# Altium PCB Evaluation Board.PcbDoc (part 10 of 22) (continued)
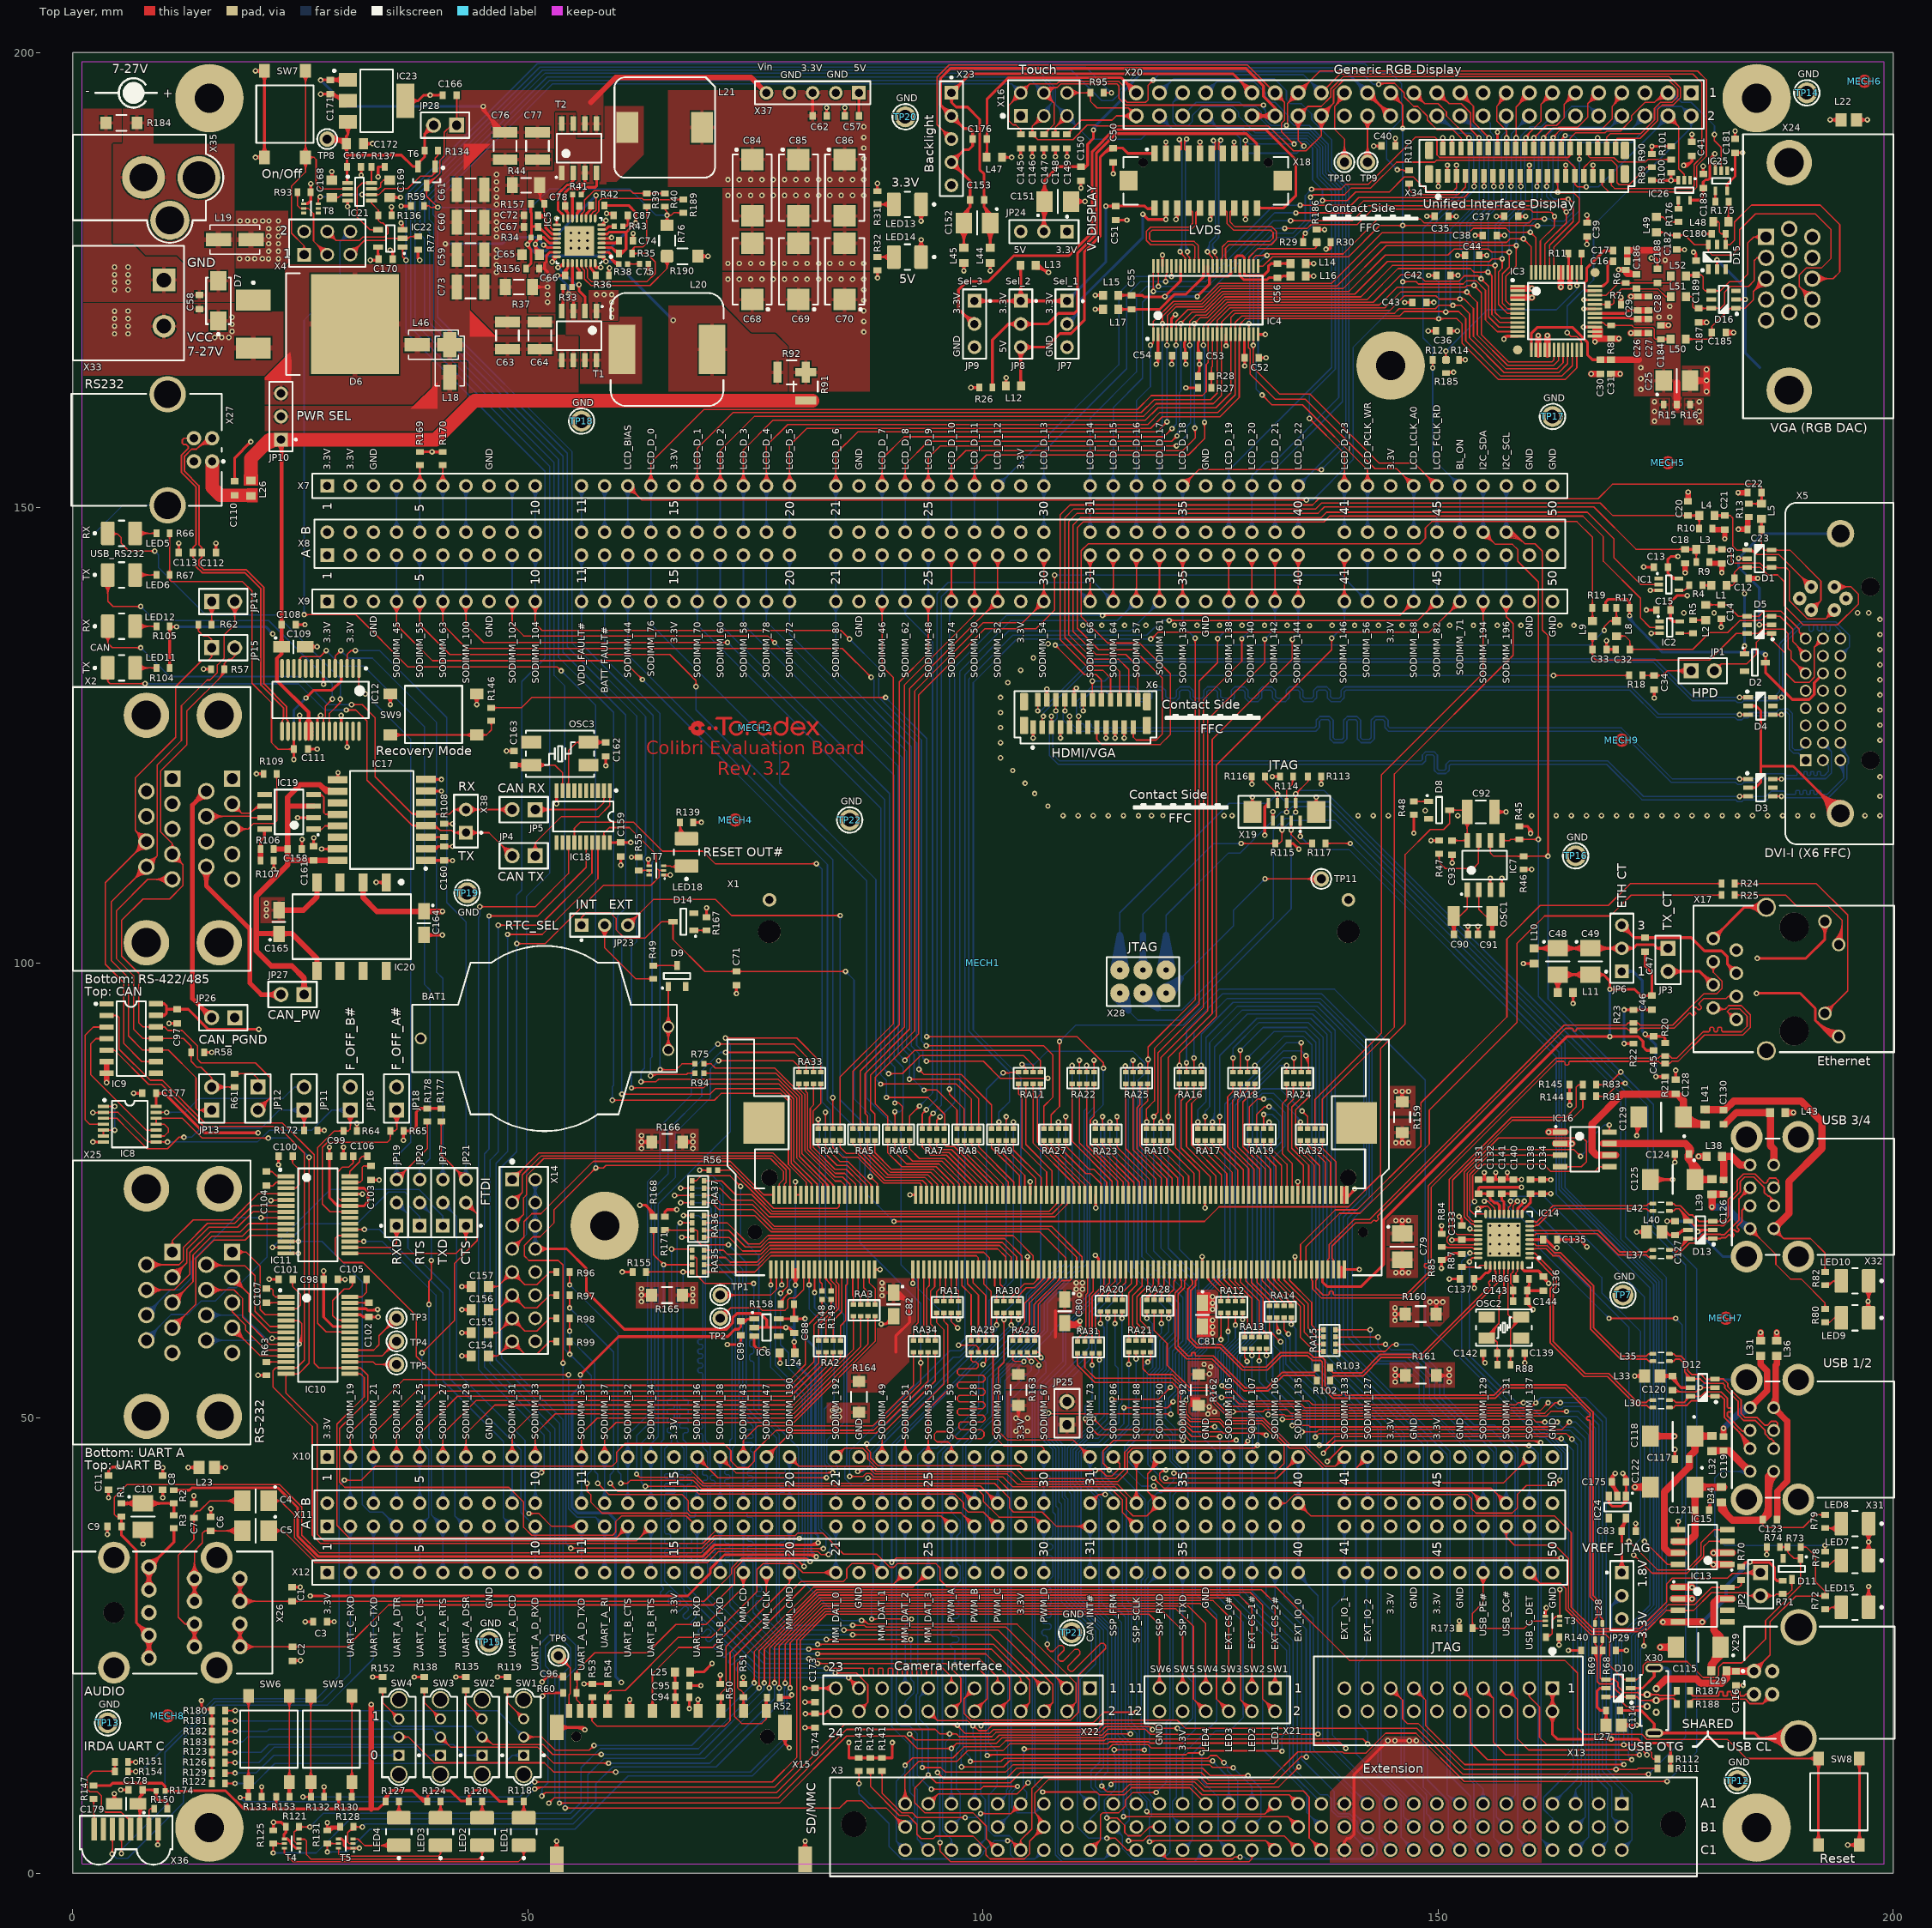
[diagram p0: Top Layer view]
## Nets (pads, with @x,y where several pads share a name; then routed paths per layer and width w, separated by ;. In a path a pad name is that pad's centre, name@x,y a point inside that pad or via, vN(x,y) a via of type N, cw(c..) or ccw(c..) an arc to the next point about the centre after c; other vN are vias at no path point) (continued)
  Bottom Layer w0.15: X8.B19@75.723,147.797 ccw(c74.57,148.95) 76.2,148.95 ccw(c77.83,148.95) X8.B19@76.677,147.797 ; X7.19@75.723,151.923 cw(c74.57,150.77) 76.2,150.77 cw(c77.83,150.77) X7.19@76.677,151.923 ; X8.B19@75.829,147.691 ccw(c74.933,148.587) 76.2,148.587 ccw(c77.467,148.587) X8.B19@76.571,147.691 ; X7.19@75.829,152.029 cw(c74.933,151.133) 76.2,151.133 cw(c77.467,151.133) X7.19@76.571,152.029 ; X8.B19@75.935,147.585 ccw(c75.295,148.225) 76.2,148.225 ccw(c77.105,148.225) X8.B19@76.465,147.585 ; X7.19@75.935,152.135 cw(c75.295,151.495) 76.2,151.495 cw(c77.105,151.495) X7.19@76.465,152.135 ; X8.B19@76.2,147.32 X7.19@76.2,152.4 ; X20.24@149.86,192.29 cw(c149.86,189.417) 151.891,191.449 ; X20.24@149.86,192.44 cw(c149.86,189.929) 151.635,191.705 ; X20.24@149.86,192.59 cw(c149.86,190.441) 151.379,191.961 ; X20.24@149.86,192.74 cw(c149.86,190.954) 151.123,192.217 ; X20.24@149.86,192.89 cw(c149.86,191.466) 150.867,192.473 ; X20.24@149.86,193.04 150.3,193.04 152.185,191.155 153.608,191.155 153.916,190.847 153.916,185.324 v1(153.949,185.29) 153.949,184.884 ; X20.24@150.61,193.04 ccw(c151.358,193.04) 150.829,192.511 ; v1@150.679,171.66 ccw(c150.326,172.013) 150.825,172.013 ; 150.825,172.075 ccw(c151.412,172.075) v1@150.997,171.66 ; v1(150.838,171.501) 150.825,171.514 150.825,181.759 153.949,184.884 ; v1@153.79,185.449 ccw(c153.488,185.752) 153.916,185.752 ; v1@153.83,185.1 cw(c153.695,184.884) 153.949,184.884 ; 153.916,185.915 ccw(c154.574,185.915) v1@154.108,185.449 ; v1@154.069,185.1 ccw(c154.204,184.884) 153.949,184.884
LCD_D_5: IC3.23 IC4.20 X7.20 X8.B20 X20.25 X34.8 | length 174.3
  Top Layer w0.15: X7.20@78.263,152.877 ccw(c77.11,154.03) 78.74,154.03 ccw(c80.37,154.03) X7.20@79.217,152.877 ; X7.20@78.369,152.771 ccw(c77.473,153.667) 78.74,153.667 ccw(c80.007,153.667) X7.20@79.111,152.771 ; X7.20@78.475,152.665 ccw(c77.835,153.305) 78.74,153.305 ccw(c79.645,153.305) X7.20@79.005,152.665 ; X7.20@78.74,152.4 78.74,156.82 80.645,158.725 118.4,158.725 119.675,160 126.025,160 128.143,162.118 IC4.20@128.143,169.046 ; 128.143,168.103 cw(c128.553,168.103) IC4.20@128.263,168.393 ; IC4.20@128.157,169.699 ccw(c128.029,169.827) 128.21,169.827 ccw(c128.391,169.827) IC4.20@128.263,169.699 ; IC4.20@128.21,169.046 128.21,170.171 128.797,170.758 ; 128.797,170.764 v1(150.063,170.764) 152.061,170.764 152.643,170.182 152.643,168.057 156.625,164.075 163.95,164.075 165.231,165.357 IC3.23@165.231,167.342 ; X20.25@147.32,195.58 148.514,194.386 ; X20.25@147.343,195.131 cw(c147.389,194.217) 148.036,194.864 cw(c148.683,195.511) X20.25@147.769,195.557 ; X20.25@147.35,194.981 cw(c147.412,193.762) 148.275,194.625 cw(c149.138,195.488) X20.25@147.919,195.55 ; X20.25@147.358,194.831 cw(c147.435,193.308) 148.514,194.386 ; X20.25@148.069,195.542 ccw(c149.592,195.465) 148.514,194.386 ; v1@149.904,170.605 ccw(c149.52,170.221) 149.52,170.764 ccw(c149.52,171.307) v1@149.904,170.923 ; v1@150.222,170.605 cw(c150.606,170.221) 150.606,170.764 cw(c150.606,171.307) v1@150.222,170.923 ; 152.895,191.06 ccw(c153.391,191.556) v1@153.391,190.855 ; 153.053,190.902 cw(c152.78,190.63) v1@153.166,190.63 ; X34.8@153.391,189.471 v1(153.391,190.63) ; 153.391,190.322 ccw(c153.839,190.322) X34.8@153.562,189.969 ; X34.8@153.655,190.087 cw(c154.08,190.63) v1(153.391,190.63) ; IC3.23@165.178,166.639 cw(c165.05,166.511) 165.231,166.511 cw(c165.413,166.511) IC3.23@165.284,166.639 ; 148.514,194.386 149.999,194.386 150.91,193.475 150.91,193.045 153.325,190.63 v1(153.391,190.63)
  Bottom Layer w0.15: X8.B20@78.263,147.797 ccw(c77.11,148.95) 78.74,148.95 ccw(c80.37,148.95) X8.B20@79.217,147.797 ; X7.20@78.263,151.923 cw(c77.11,150.77) 78.74,150.77 cw(c80.37,150.77) X7.20@79.217,151.923 ; X8.B20@78.369,147.691 ccw(c77.473,148.587) 78.74,148.587 ccw(c80.007,148.587) X8.B20@79.111,147.691 ; X7.20@78.369,152.029 cw(c77.473,151.133) 78.74,151.133 cw(c80.007,151.133) X7.20@79.111,152.029 ; X8.B20@78.475,147.585 ccw(c77.835,148.225) 78.74,148.225 ccw(c79.645,148.225) X8.B20@79.005,147.585 ; X7.20@78.475,152.135 cw(c77.835,151.495) 78.74,151.495 cw(c79.645,151.495) X7.20@79.005,152.135 ; X8.B20@78.74,147.32 X7.20@78.74,152.4 ; v1@149.904,170.923 ccw(c149.52,171.307) 150.063,171.307 ccw(c150.606,171.307) v1@150.222,170.923 ; v1(150.063,170.764) 150.063,174.762 149.6,175.225 149.6,181.225 153.391,185.016 v1(153.391,190.63) ; v1@153.232,190.471 cw(c152.847,190.087) 153.391,190.087 cw(c153.934,190.087) v1@153.55,190.471
LCD_D_6: IC3.5 IC4.4 X7.21 X8.B21 X20.13 X34.20 | length 161.6
  Top Layer w0.15: X7.21@83.343,152.877 ccw(c82.19,154.03) 83.82,154.03 ccw(c85.45,154.03) X7.21@84.297,152.877 ; X7.21@83.449,152.771 ccw(c82.553,153.667) 83.82,153.667 ccw(c85.087,153.667) X7.21@84.191,152.771 ; X7.21@83.555,152.665 ccw(c82.915,153.305) 83.82,153.305 ccw(c84.725,153.305) X7.21@84.085,152.665 ; X7.21@83.82,152.4 83.82,155.931 86.214,158.325 119.099,158.325 v1(120.21,159.436) ; v1@119.985,159.436 cw(c119.442,159.436) 119.826,159.052 cw(c120.21,158.668) v1@120.21,159.211 ; IC4.4@120.157,168.393 cw(c120.029,168.265) 120.21,168.265 cw(c120.391,168.265) IC4.4@120.263,168.393 ; IC4.4@120.157,169.699 ccw(c119.887,169.97) 120.269,169.97 ; v1(120.21,167.86) IC4.4@120.21,169.046 120.269,169.105 120.269,171.145 121.201,172.078 124.16,172.078 126.147,174.064 139.546,174.064 144.287,178.805 v1(158.585,178.805) 158.585,176.585 157.45,175.45 157.45,172.725 157.833,172.342 IC3.5@158.731,172.342 ; IC3.5@158.028,172.289 ccw(c157.9,172.161) 157.9,172.342 ccw(c157.9,172.523) IC3.5@158.028,172.395 ; v1@158.426,178.964 cw(c158.042,179.348) 158.042,178.805 cw(c158.042,178.262) 158.426,178.646 cw(c158.042,178.262) 158.585,178.262 cw(c159.128,178.262) v1@158.744,178.646 ; X34.20@159.366,190.078 ccw(c158.874,190.63) 159.614,190.63 X34.20@159.614,189.471 ; X34.20@159.466,189.966 ccw(c159.173,190.295) 159.614,190.295 ; 159.614,190.218 ccw(c159.824,190.218) X34.20@159.675,190.069 ; v1(159.639,190.627) 159.639,190.805 161.315,192.481 161.315,194.335 ; v1@159.714,190.627 cw(c160.324,190.627) 159.893,191.059 ; v1@159.864,190.627 cw(c160.836,190.627) 160.149,191.315 ; X20.13@161.81,195.565 cw(c160.12,195.531) 161.315,194.335 ; X20.13@161.96,195.568 cw(c160.608,195.54) 161.564,194.584 cw(c162.52,193.628) X20.13@162.548,194.98 ; X20.13@162.11,195.571 cw(c161.096,195.55) 161.813,194.833 cw(c162.53,194.116) X20.13@162.551,195.13 ; X20.13@162.545,194.83 ccw(c162.511,193.14) 161.315,194.335 ; X20.13@162.56,195.58 161.315,194.335
  Bottom Layer w0.15: X8.B21@83.343,147.797 ccw(c82.19,148.95) 83.82,148.95 ccw(c85.45,148.95) X8.B21@84.297,147.797 ; X7.21@83.343,151.923 cw(c82.19,150.77) 83.82,150.77 cw(c85.45,150.77) X7.21@84.297,151.923 ; X8.B21@83.449,147.691 ccw(c82.553,148.587) 83.82,148.587 ccw(c85.087,148.587) X8.B21@84.191,147.691 ; X7.21@83.449,152.029 cw(c82.553,151.133) 83.82,151.133 cw(c85.087,151.133) X7.21@84.191,152.029 ; X8.B21@83.555,147.585 ccw(c82.915,148.225) 83.82,148.225 ccw(c84.725,148.225) X8.B21@84.085,147.585 ; X7.21@83.555,152.135 cw(c82.915,151.495) 83.82,151.495 cw(c84.725,151.495) X7.21@84.085,152.135 ; X8.B21@83.82,147.32 X7.21@83.82,152.4 ; v1@120.051,159.595 ccw(c119.688,159.958) 120.201,159.958 ; v1@120.051,167.701 cw(c119.688,167.339) 120.201,167.339 ; 120.201,160 ccw(c120.775,160) v1@120.369,159.595 ; 120.201,167.296 cw(c120.775,167.296) v1@120.369,167.701 ; v1@120.201,167.86 120.201,159.445 v1(120.21,159.436) ; v1@158.426,178.964 ccw(c158.042,179.348) 158.585,179.348 ccw(c159.128,179.348) v1@158.744,178.964 ; v1(158.585,178.805) 158.585,181.835 159.605,182.855 159.605,185.508 159.491,185.622 159.491,190.479 v1(159.639,190.627) ; 159.491,189.726 cw(c160.54,189.726) v1@159.798,190.468 ; 159.491,190.089 cw(c160.177,190.089) v1@159.692,190.574
LCD_D_7: IC3.6 IC4.6 X7.23 X8.B23 X20.14 X34.19 | length 146.7
  Top Layer w0.15: X7.23@88.423,152.877 ccw(c87.27,154.03) 88.9,154.03 ccw(c90.53,154.03) X7.23@89.377,152.877 ; X7.23@88.529,152.771 ccw(c87.633,153.667) 88.9,153.667 ccw(c90.167,153.667) X7.23@89.271,152.771 ; X7.23@88.635,152.665 ccw(c87.995,153.305) 88.9,153.305 ccw(c89.805,153.305) X7.23@89.165,152.665 ; X7.23@88.9,152.4 88.9,155.372 91.328,157.8 119.861,157.8 v1(120.76,158.699) ; v1@120.535,158.699 cw(c119.992,158.699) 120.376,158.315 cw(c120.76,157.931) v1@120.76,158.474 ; IC4.6@121.157,168.393 cw(c121.029,168.265) 121.21,168.265 cw(c121.391,168.265) IC4.6@121.263,168.393 ; IC4.6@121.157,169.699 ccw(c120.971,169.886) 121.234,169.886 ; v1(121.21,167.86) IC4.6@121.21,169.046 121.234,169.07 121.234,169.965 121.185,170.015 121.185,170.449 122.513,171.778 124.284,171.778 126.271,173.764 140.211,173.764 144.197,177.75 151.082,177.75 151.732,178.4 155.557,178.4 155.883,178.074 v1(157.81,178.074) 157.8,178.064 157.8,176.425 157.05,175.675 157.05,172.45 157.658,171.842 IC3.6@158.731,171.842 ; v1@157.651,178.233 cw(c157.267,178.617) 157.267,178.074 cw(c157.267,177.531) 157.651,177.915 cw(c157.292,177.556) 157.8,177.556 ; 157.8,177.506 cw(c158.378,177.506) v1@157.969,177.915 ; IC3.6@158.028,171.789 ccw(c157.9,171.661) 157.9,171.842 ccw(c157.9,172.023) IC3.6@158.028,171.895 ; X34.19@158.857,185.851 cw(c158.318,185.312) v1@159.08,185.312 ; X34.19@158.963,185.957 cw(c158.68,185.674) 159.08,185.674 ; v1@159.08,185.301 X34.19@159.08,186.46 ; 159.08,185.622 cw(c159.404,185.622) X34.19@159.175,185.851
  Bottom Layer w0.15: X8.B23@88.423,147.797 ccw(c87.27,148.95) 88.9,148.95 ccw(c90.53,148.95) X8.B23@89.377,147.797 ; X7.23@88.423,151.923 cw(c87.27,150.77) 88.9,150.77 cw(c90.53,150.77) X7.23@89.377,151.923 ; X8.B23@88.529,147.691 ccw(c87.633,148.587) 88.9,148.587 ccw(c90.167,148.587) X8.B23@89.271,147.691 ; X7.23@88.529,152.029 cw(c87.633,151.133) 88.9,151.133 cw(c90.167,151.133) X7.23@89.271,152.029 ; X8.B23@88.635,147.585 ccw(c87.995,148.225) 88.9,148.225 ccw(c89.805,148.225) X8.B23@89.165,147.585 ; X7.23@88.635,152.135 cw(c87.995,151.495) 88.9,151.495 cw(c89.805,151.495) X7.23@89.165,152.135 ; X8.B23@88.9,147.32 X7.23@88.9,152.4 ; v1(120.76,158.699) 121.251,159.19 121.251,167.819 v1(121.21,167.86) ; v1@120.76,158.924 ccw(c120.76,159.467) 121.144,159.083 ccw(c121.528,158.699) v1@120.985,158.699 ; v1@121.051,167.701 cw(c120.567,167.218) 121.251,167.218 ; 121.251,167.417 cw(c121.654,167.417) v1@121.369,167.701 ; v1@157.651,178.233 ccw(c157.267,178.617) 157.81,178.617 ccw(c158.353,178.617) v1@157.969,178.233 ; v1(157.81,178.074) 157.81,181.61 159.08,182.88 v1(159.08,185.29) 159.097,185.307 159.097,190.828 160.116,191.846 161.341,191.846 162.535,193.04 X20.14@162.56,193.04 ; v1@158.921,185.131 cw(c158.537,184.747) 159.08,184.747 cw(c159.623,184.747) v1@159.239,185.131 ; v1@158.921,185.449 ccw(c158.496,185.874) 159.097,185.874 ; 159.097,185.792 ccw(c159.582,185.792) v1@159.239,185.449
LCD_D_8: IC3.7 IC4.7 X7.24 X8.B24 X20.15 X34.18 | length 155.9
  Top Layer w0.15: X7.24@90.963,152.877 ccw(c89.81,154.03) 91.44,154.03 ccw(c93.07,154.03) X7.24@91.917,152.877 ; X7.24@91.069,152.771 ccw(c90.173,153.667) 91.44,153.667 ccw(c92.707,153.667) X7.24@91.811,152.771 ; X7.24@91.175,152.665 ccw(c90.535,153.305) 91.44,153.305 ccw(c92.345,153.305) X7.24@91.705,152.665 ; X7.24@91.44,152.4 91.44,154.737 94.003,157.3 120.724,157.3 v1(121.31,157.886) ; v1@121.085,157.886 cw(c120.542,157.886) 120.926,157.502 cw(c121.31,157.118) v1@121.31,157.661 ; IC4.7@121.657,169.699 ccw(c121.529,169.827) 121.71,169.827 ccw(c121.891,169.827) IC4.7@121.763,169.699 ; IC4.7@121.71,169.046 v2(121.71,170.232) 122.956,171.478 124.409,171.478 126.395,173.464 140.851,173.464 144.436,177.05 155.639,177.05 155.933,177.343 v1(157.035,177.343) 157.035,176.311 156.625,175.9 156.625,172.325 157.608,171.342 IC3.7@158.731,171.342 ; v2@121.71,170.457 ccw(c121.71,171) 122.094,170.616 ccw(c122.478,170.232) v2@121.935,170.232 ; v1@156.876,177.502 cw(c156.492,177.886) 156.492,177.343 cw(c156.492,176.8) 156.876,177.184 cw(c156.492,176.8) 157.035,176.8 cw(c157.579,176.8) v1@157.195,177.184 ; IC3.7@158.028,171.289 ccw(c157.9,171.161) 157.9,171.342 ccw(c157.9,171.523) IC3.7@158.028,171.395 ; X34.18@158.357,190.069 ccw(c157.837,190.589) v1@158.572,190.589 ; v1@158.413,190.789 ccw(c158.029,191.173) 158.572,191.173 ccw(c159.115,191.173) v1@158.731,190.789 ; X34.18@158.463,189.963 ccw(c158.199,190.227) 158.572,190.227 ; X34.18@158.572,189.382 v1(158.572,190.63) 158.572,194.005 160.02,195.453 X20.15@160.02,195.58 ; 158.572,190.318 ccw(c158.924,190.318) X34.18@158.675,190.069 ; 158.65,194.083 ccw(c157.153,195.58) X20.15@159.27,195.58 ; 158.906,194.339 ccw(c157.665,195.58) X20.15@159.42,195.58 ; 158.956,194.389 cw(c160.02,193.326) X20.15@160.02,194.83 ; 159.162,194.595 ccw(c158.177,195.58) X20.15@159.57,195.58 ; 159.213,194.646 cw(c160.02,193.838) X20.15@160.02,194.98 ; 159.418,194.851 ccw(c158.689,195.58) X20.15@159.72,195.58 ; 159.469,194.902 cw(c160.02,194.35) X20.15@160.02,195.13
  Bottom Layer w0.15: X8.B24@90.963,147.797 ccw(c89.81,148.95) 91.44,148.95 ccw(c93.07,148.95) X8.B24@91.917,147.797 ; X7.24@90.963,151.923 cw(c89.81,150.77) 91.44,150.77 cw(c93.07,150.77) X7.24@91.917,151.923 ; X8.B24@91.069,147.691 ccw(c90.173,148.587) 91.44,148.587 ccw(c92.707,148.587) X8.B24@91.811,147.691 ; X7.24@91.069,152.029 cw(c90.173,151.133) 91.44,151.133 cw(c92.707,151.133) X7.24@91.811,152.029 ; X8.B24@91.175,147.585 ccw(c90.535,148.225) 91.44,148.225 ccw(c92.345,148.225) X8.B24@91.705,147.585 ; X7.24@91.175,152.135 cw(c90.535,151.495) 91.44,151.495 cw(c92.345,151.495) X7.24@91.705,152.135 ; X8.B24@91.44,147.32 X7.24@91.44,152.4 ; v1@121.151,158.045 ccw(c120.163,159.034) 121.561,159.034 ; v1@121.257,157.939 ccw(c120.525,158.671) 121.561,158.671 ; v1(121.31,157.886) 121.561,158.137 121.561,162.648 121.735,162.822 v2@121.735,170.207 ; v1@121.363,157.833 ccw(c120.887,158.309) 121.561,158.309 ; v2@121.551,170.073 cw(c121.106,169.628) 121.735,169.628 ; v2(121.71,170.232) v2@121.735,170.207 ; 121.735,169.749 cw(c122.193,169.749) v2@121.869,170.073 ; v2@121.735,170.232 v2@121.735,170.207 ; v1@156.876,177.502 ccw(c156.492,177.886) 157.035,177.886 ccw(c157.579,177.886) v1@157.195,177.502 ; v1(157.035,177.343) 157.035,179.1 156.675,179.46 156.675,181 158.555,182.88 158.555,190.613 v1(158.572,190.63) ; v1@158.413,190.471 cw(c158.07,190.128) 158.555,190.128 ; 158.555,190.046 cw(c159.156,190.046) v1@158.731,190.471
LCD_D_9: IC3.8 IC4.9 X7.25 X8.B25 X20.16 X34.17 | length 147.1
  Top Layer w0.15: X7.25@93.503,152.877 ccw(c92.35,154.03) 93.98,154.03 ccw(c95.61,154.03) X7.25@94.457,152.877 ; X7.25@93.609,152.771 ccw(c92.713,153.667) 93.98,153.667 ccw(c95.247,153.667) X7.25@94.351,152.771 ; X7.25@93.715,152.665 ccw(c93.075,153.305) 93.98,153.305 ccw(c94.885,153.305) X7.25@94.245,152.665 ; X7.25@93.98,152.4 93.98,155.473 95.301,156.794 121.291,156.794 121.291,156.8 v1(121.25,156.8) ; 120.693,156.794 ccw(c120.693,157.357) v1@121.091,156.959 ; 120.721,156.794 cw(c120.721,156.271) v1@121.091,156.641 ; IC4.9@122.657,168.393 cw(c122.529,168.265) 122.71,168.265 cw(c122.891,168.265) IC4.9@122.763,168.393 ; 122.685,169.888 ccw(c122.951,169.888) IC4.9@122.763,169.699 ; v1(122.71,167.86) IC4.9@122.71,169.046 122.685,169.071 122.685,170.449 123.413,171.178 124.533,171.178 126.519,173.164 141.516,173.164 144.964,176.612 v1(156.261,176.612) 156.261,171.439 156.858,170.842 IC3.8@158.731,170.842 ; v1@156.102,176.771 cw(c155.718,177.155) 155.718,176.612 cw(c155.718,176.069) 156.102,176.453 cw(c155.718,176.069) 156.261,176.069 cw(c156.804,176.069) v1@156.42,176.453 ; X34.17@157.857,185.851 cw(c157.473,185.467) 158.016,185.467 cw(c158.559,185.467) X34.17@158.175,185.851 ; v1@158.016,185.301 X34.17@158.016,186.46 ; IC3.8@158.028,170.789 ccw(c157.9,170.661) 157.9,170.842 ccw(c157.9,171.023) IC3.8@158.028,170.895
  Bottom Layer w0.15: X8.B25@93.503,147.797 ccw(c92.35,148.95) 93.98,148.95 ccw(c95.61,148.95) X8.B25@94.457,147.797 ; X7.25@93.503,151.923 cw(c92.35,150.77) 93.98,150.77 cw(c95.61,150.77) X7.25@94.457,151.923 ; X8.B25@93.609,147.691 ccw(c92.713,148.587) 93.98,148.587 ccw(c95.247,148.587) X8.B25@94.351,147.691 ; X7.25@93.609,152.029 cw(c92.713,151.133) 93.98,151.133 cw(c95.247,151.133) X7.25@94.351,152.029 ; X8.B25@93.715,147.585 ccw(c93.075,148.225) 93.98,148.225 ccw(c94.885,148.225) X8.B25@94.245,147.585 ; X7.25@93.715,152.135 cw(c93.075,151.495) 93.98,151.495 cw(c94.885,151.495) X7.25@94.245,152.135 ; X8.B25@93.98,147.32 X7.25@93.98,152.4 ; v1(121.25,156.8) 122.375,157.925 122.375,158.9 122.801,159.326 v1@122.801,167.86 ; v1@121.25,157.025 ccw(c121.25,157.568) 121.634,157.184 ccw(c122.018,156.8) v1@121.475,156.8 ; v1@122.551,167.701 cw(c121.948,167.098) 122.801,167.098 ; v1@122.657,167.807 cw(c122.31,167.461) 122.801,167.461 ; 122.801,167.536 cw(c123.034,167.536) v1@122.869,167.701 ; v1@156.102,176.771 ccw(c155.718,177.155) 156.261,177.155 ccw(c156.804,177.155) v1@156.42,176.771 ; v1(156.261,176.612) 156.261,181.061 158.016,182.816 v1(158.016,185.29) 158.041,185.315 158.041,191.061 X20.16@160.02,193.04 ; v1@157.857,185.131 cw(c157.473,184.747) 158.016,184.747 cw(c158.559,184.747) v1@158.175,185.131 ; v1@157.857,185.449 ccw(c157.412,185.894) 158.041,185.894 ; 158.041,185.773 ccw(c158.499,185.773) v1@158.175,185.449 ; X20.16@159.27,193.04 cw(c157.459,193.04) 158.74,191.76 cw(c160.02,190.479) X20.16@160.02,192.29 ; X20.16@159.42,193.04 cw(c157.971,193.04) 158.996,192.016 cw(c160.02,190.991) X20.16@160.02,192.44 ; X20.16@159.57,193.04 cw(c158.484,193.04) 159.252,192.272 cw(c160.02,191.504) X20.16@160.02,192.59
LCD_D_10: IC3.9 IC4.10 X7.26 X8.B26 X20.17 X34.16 | length 148.4
  Top Layer w0.15: X7.26@96.043,152.877 ccw(c94.89,154.03) 96.52,154.03 ccw(c98.15,154.03) X7.26@96.997,152.877 ; X7.26@96.149,152.771 ccw(c95.253,153.667) 96.52,153.667 ccw(c97.787,153.667) X7.26@96.891,152.771 ; X7.26@96.255,152.665 ccw(c95.615,153.305) 96.52,153.305 ccw(c97.425,153.305) X7.26@96.785,152.665 ; X7.26@96.52,152.4 96.52,154.686 98.109,156.275 121.934,156.275 123.317,157.658 v1@123.317,158.725 ; v1@123.107,158.591 cw(c122.6,158.084) 123.317,158.084 ; IC4.10@123.157,169.699 ccw(c123.029,169.827) 123.21,169.827 ccw(c123.391,169.827) IC4.10@123.263,169.699 ; IC4.10@123.21,169.046 v2@123.21,170.207 ; v2(123.21,170.232) 123.856,170.878 124.657,170.878 126.644,172.864 142.181,172.864 145.592,176.275 153.55,176.275 153.944,175.881 v1(155.486,175.881) 155.9,175.467 155.9,171.225 156.783,170.342 IC3.9@158.731,170.342 ; v2@123.21,170.457 ccw(c123.21,171) 123.594,170.616 ccw(c123.978,170.232) v2@123.435,170.232 ; v1@123.213,158.697 cw(c122.962,158.446) 123.317,158.446 ; 123.317,158.329 cw(c123.687,158.329) v1@123.425,158.591 ; v1@155.327,175.722 ccw(c154.943,175.338) 154.943,175.881 ccw(c154.943,176.424) v1@155.327,176.04 ; v1@155.486,175.656 cw(c155.486,175.113) 155.87,175.497 cw(c156.254,175.881) v1@155.711,175.881 ; 156.61,194.27 ccw(c155.789,195.09) X20.17@156.904,195.413 ; X20.17@156.76,195.371 cw(c155.51,195.01) 156.43,194.09 ; 156.789,194.449 ccw(c156.067,195.171) X20.17@157.048,195.455 ; 156.951,194.611 cw(c157.48,194.082) X20.17@157.48,194.83 ; 156.969,194.629 ccw(c156.346,195.251) X20.17@157.192,195.497 ; 157.148,194.808 ccw(c156.624,195.332) X20.17@157.336,195.538 ; X34.16@157.357,190.069 ccw(c156.973,190.453) 157.516,190.453 ccw(c158.059,190.453) X34.16@157.675,190.069 ; v1@157.357,190.789 ccw(c156.973,191.173) 157.516,191.173 ccw(c158.059,191.173) v1@157.675,190.789 ; X20.17@157.48,195.58 157.48,195.14 156.43,194.09 ; X34.16@157.516,189.471 v1(157.516,190.63) 157.516,191.429 156.43,192.515 156.43,194.09 ; IC3.9@158.028,170.289 ccw(c157.9,170.161) 157.9,170.342 ccw(c157.9,170.523) IC3.9@158.028,170.395
  Bottom Layer w0.15: X8.B26@96.043,147.797 ccw(c94.89,148.95) 96.52,148.95 ccw(c98.15,148.95) X8.B26@96.997,147.797 ; X7.26@96.043,151.923 cw(c94.89,150.77) 96.52,150.77 cw(c98.15,150.77) X7.26@96.997,151.923 ; X8.B26@96.149,147.691 ccw(c95.253,148.587) 96.52,148.587 ccw(c97.787,148.587) X8.B26@96.891,147.691 ; X7.26@96.149,152.029 cw(c95.253,151.133) 96.52,151.133 cw(c97.787,151.133) X7.26@96.891,152.029 ; X8.B26@96.255,147.585 ccw(c95.615,148.225) 96.52,148.225 ccw(c97.425,148.225) X8.B26@96.785,147.585 ; X7.26@96.255,152.135 cw(c95.615,151.495) 96.52,151.495 cw(c97.425,151.495) X7.26@96.785,152.135 ; X8.B26@96.52,147.32 X7.26@96.52,152.4 ; v2@123.051,170.073 cw(c122.606,169.628) 123.235,169.628 ; v1@123.107,158.909 ccw(c122.798,159.218) 123.235,159.218 ; v2(123.21,170.232) v2@123.235,170.207 ; 123.235,159.369 ccw(c123.885,159.369) v1@123.425,158.909 ; 123.235,169.749 cw(c123.693,169.749) v2@123.369,170.073 ; v2@123.235,170.232 v2@123.235,170.207 ; v1(123.266,158.75) 123.235,158.781 v2@123.235,170.207 ; v1@155.327,176.04 ccw(c154.943,176.424) 155.486,176.424 ccw(c156.029,176.424) v1@155.645,176.04 ; v1(155.486,175.881) 155.486,176.9 155.925,177.339 155.925,178.025 155.486,178.464 155.486,182.011 157.496,184.021 ; v1@157.357,190.471 cw(c157.033,190.147) 157.491,190.147 ; 157.491,184.021 157.491,185.073 v1@157.491,190.605 ; 157.491,190.026 cw(c158.12,190.026) v1@157.675,190.471
LCD_D_11: IC3.10 IC4.12 X7.27 X8.B27 X20.18 X34.15 | length 141.1
  Top Layer w0.15: X7.27@98.583,152.877 ccw(c97.43,154.03) 99.06,154.03 ccw(c100.69,154.03) X7.27@99.537,152.877 ; X7.27@98.689,152.771 ccw(c97.793,153.667) 99.06,153.667 ccw(c100.327,153.667) X7.27@99.431,152.771 ; X7.27@98.795,152.665 ccw(c98.155,153.305) 99.06,153.305 ccw(c99.965,153.305) X7.27@99.325,152.665 ; X7.27@99.06,152.4 99.06,154.508 100.352,155.8 122.551,155.8 124.333,157.582 v1@124.333,159.389 ; IC4.12@124.155,168.991 IC4.12@124.21,169.046 ; IC4.12@124.157,168.393 cw(c124.029,168.265) 124.21,168.265 cw(c124.391,168.265) IC4.12@124.263,168.393 ; IC4.12@124.157,169.699 ccw(c124.029,169.827) 124.21,169.827 ccw(c124.391,169.827) IC4.12@124.263,169.699 ; v1@124.166,159.23 cw(c123.761,158.826) 124.333,158.826 ; v1(124.21,167.86) IC4.12@124.21,169.046 ; 124.333,158.866 cw(c124.848,158.866) v1@124.484,159.23 ; v1@154.488,175.178 ccw(c154.135,175.223) 154.387,175.475 ; v1@154.683,175.373 cw(c154.639,175.727) 154.387,175.475 ; v1@154.711,174.925 cw(c154.711,174.382) 155.095,174.766 cw(c155.48,175.15) v1@154.936,175.15 ; X34.15@156.857,185.851 cw(c156.64,185.634) 156.947,185.634 ; v1@156.947,185.299 cw(c157.727,185.299) X34.15@157.175,185.851 ; v1@156.947,185.301 X34.15@156.947,186.46 ; 156.947,185.661 cw(c157.365,185.661) X34.15@157.069,185.957 ; IC3.10@158.028,169.789 ccw(c157.9,169.661) 157.9,169.842 ccw(c157.9,170.023) IC3.10@158.028,169.895 ; IC3.10@158.731,169.842 156.683,169.842 155.55,170.975 155.55,174.312 v1(154.711,175.15) 154.387,175.475 ; IC4.12@124.21,169.046 124.21,169.948 126.826,172.564 142.872,172.564 145.882,175.575 147.851,175.575 148.55,174.876 152.267,174.876 152.866,175.475 154.387,175.475
  Bottom Layer w0.15: X8.B27@98.583,147.797 ccw(c97.43,148.95) 99.06,148.95 ccw(c100.69,148.95) X8.B27@99.537,147.797 ; X7.27@98.583,151.923 cw(c97.43,150.77) 99.06,150.77 cw(c100.69,150.77) X7.27@99.537,151.923 ; X8.B27@98.689,147.691 ccw(c97.793,148.587) 99.06,148.587 ccw(c100.327,148.587) X8.B27@99.431,147.691 ; X7.27@98.689,152.029 cw(c97.793,151.133) 99.06,151.133 cw(c100.327,151.133) X7.27@99.431,152.029 ; X8.B27@98.795,147.585 ccw(c98.155,148.225) 99.06,148.225 ccw(c99.965,148.225) X8.B27@99.325,147.585 ; X7.27@98.795,152.135 cw(c98.155,151.495) 99.06,151.495 cw(c99.965,151.495) X7.27@99.325,152.135 ; X8.B27@99.06,147.32 X7.27@99.06,152.4 ; v1@124.051,167.701 cw(c123.39,167.041) 124.325,167.041 ; v1@124.157,167.807 cw(c123.752,167.403) 124.325,167.403 ; v1@124.166,159.549 ccw(c123.781,159.933) 124.325,159.933 ccw(c124.868,159.933) v1@124.484,159.549 ; v1(124.21,167.86) 124.325,167.746 v1(124.325,159.389) ; v1@154.552,175.309 ccw(c154.168,175.693) 154.711,175.693 ccw(c155.255,175.693) v1@154.87,175.309 ; v1(154.711,175.15) 154.711,181.661 156.947,183.897 v1(156.947,185.29) 156.947,190.83 157.48,191.364 ; v1@156.788,185.131 cw(c156.403,184.747) 156.947,184.747 cw(c157.49,184.747) v1@157.106,185.131 ; v1@156.788,185.449 ccw(c156.403,185.833) 156.947,185.833 ccw(c157.49,185.833) v1@157.106,185.449 ; X20.18@156.98,192.481 cw(c155.982,191.364) 157.48,191.364 ; X20.18@157.08,192.593 cw(c156.281,191.699) 157.48,191.699 cw(c158.679,191.699) X20.18@157.88,192.593 ; X20.18@157.18,192.704 cw(c156.581,192.034) 157.48,192.034 cw(c158.379,192.034) X20.18@157.78,192.704 ; X20.18@157.48,193.04 157.48,191.364 ; X20.18@157.98,192.481 ccw(c158.978,191.364) 157.48,191.364
LCD_D_12: IC3.43 IC4.44 X7.28 X8.B28 X20.6 X34.27 | length 150.1
  Top Layer w0.15: IC4.44@120.657,175.893 cw(c120.529,175.765) 120.71,175.765 cw(c120.891,175.765) IC4.44@120.763,175.893 ; v2@120.71,175.387 IC4.44@120.71,176.546 ; v1(134.838,183.236) 134.838,183.224 134.844,183.219 140.419,183.219 141.279,184.079 152.862,184.079 153.437,184.653 v1@162.992,184.653 ; v1@134.997,183.077 cw(c135.34,182.733) 135.34,183.219 ; v1@134.997,183.395 ccw(c135.422,183.82) 135.422,183.219 ; 162.59,184.653 ccw(c162.59,185.213) 162.985,184.817 ccw(c162.601,185.201) 163.144,185.201 ccw(c163.687,185.201) 163.303,184.817 ccw(c163.864,185.377) 163.864,184.585 ; 162.612,184.653 cw(c162.612,184.126) v1@162.985,184.499 ; IC3.43@162.678,176.545 ccw(c162.55,176.673) 162.731,176.673 ccw(c162.913,176.673) IC3.43@162.785,176.545 ; IC3.43@162.731,175.842 162.731,178.656 165.507,181.432 165.507,183.993 164.915,184.585 163.213,184.585 v1@163.144,184.653 ; X34.27@162.857,185.851 cw(c162.163,185.157) 163.144,185.157 ; X34.27@162.963,185.957 cw(c162.525,185.519) 163.144,185.519 ; v1(163.144,184.658) X34.27@163.144,186.46 ; v1@163.197,184.711 ccw(c163.502,185.015) 163.502,184.585 ; v1@163.303,184.499 cw(c163.511,184.291) 163.511,184.585
  Bottom Layer w0.15: X8.B28@101.123,147.797 ccw(c99.97,148.95) 101.6,148.95 ccw(c103.23,148.95) X8.B28@102.077,147.797 ; X7.28@101.123,151.923 cw(c99.97,150.77) 101.6,150.77 cw(c103.23,150.77) X7.28@102.077,151.923 ; X8.B28@101.229,147.691 ccw(c100.333,148.587) 101.6,148.587 ccw(c102.867,148.587) X8.B28@101.971,147.691 ; X7.28@101.229,152.029 cw(c100.333,151.133) 101.6,151.133 cw(c102.867,151.133) X7.28@101.971,152.029 ; X8.B28@101.335,147.585 ccw(c100.695,148.225) 101.6,148.225 ccw(c102.505,148.225) X8.B28@101.865,147.585 ; X7.28@101.335,152.135 cw(c100.695,151.495) 101.6,151.495 cw(c102.505,151.495) X7.28@101.865,152.135 ; X8.B28@101.6,147.32 X7.28@101.6,152.4 114.91,165.71 114.91,173.558 116.738,175.387 v2(120.701,175.387) 124.087,175.387 131.936,183.236 v1(134.838,183.236) ; X7.28@101.6,152.775 ccw(c101.6,153.68) 102.24,153.04 ccw(c102.88,152.4) X7.28@101.975,152.4 ; X7.28@101.6,152.925 ccw(c101.6,154.192) 102.496,153.296 ccw(c103.392,152.4) X7.28@102.125,152.4 ; X7.28@101.6,153.075 ccw(c101.6,154.705) 102.752,153.552 ccw(c103.905,152.4) X7.28@102.275,152.4 ; v2@120.542,175.228 ccw(c120.158,174.844) 120.158,175.387 ccw(c120.158,175.93) v2@120.542,175.546 ; v2@120.86,175.228 cw(c121.244,174.844) 121.244,175.387 cw(c121.244,175.93) v2@120.86,175.546 ; v1@134.679,183.077 ccw(c134.295,182.692) 134.295,183.236 ccw(c134.295,183.779) v1@134.679,183.395 ; v1@162.985,184.817 ccw(c162.478,185.324) 163.195,185.324 ; v1@163.091,184.711 ccw(c162.84,184.962) 163.195,184.962 ; v1(163.144,184.658) 163.195,184.709 163.195,189.763 163.17,189.789 163.17,190.906 163.779,191.516 171.196,191.516 X20.6@172.72,193.04 ; 163.195,185.079 ccw(c163.565,185.079) v1@163.303,184.817 ; X20.6@171.97,193.04 cw(c170.159,193.04) 171.44,191.76 cw(c172.72,190.479) X20.6@172.72,192.29 ; X20.6@172.12,193.04 cw(c170.671,193.04) 171.696,192.016 cw(c172.72,190.991) X20.6@172.72,192.44 ; X20.6@172.27,193.04 cw(c171.184,193.04) 171.952,192.272 cw(c172.72,191.504) X20.6@172.72,192.59